# KiCad board hermod-right.kicad_pcb (continued)
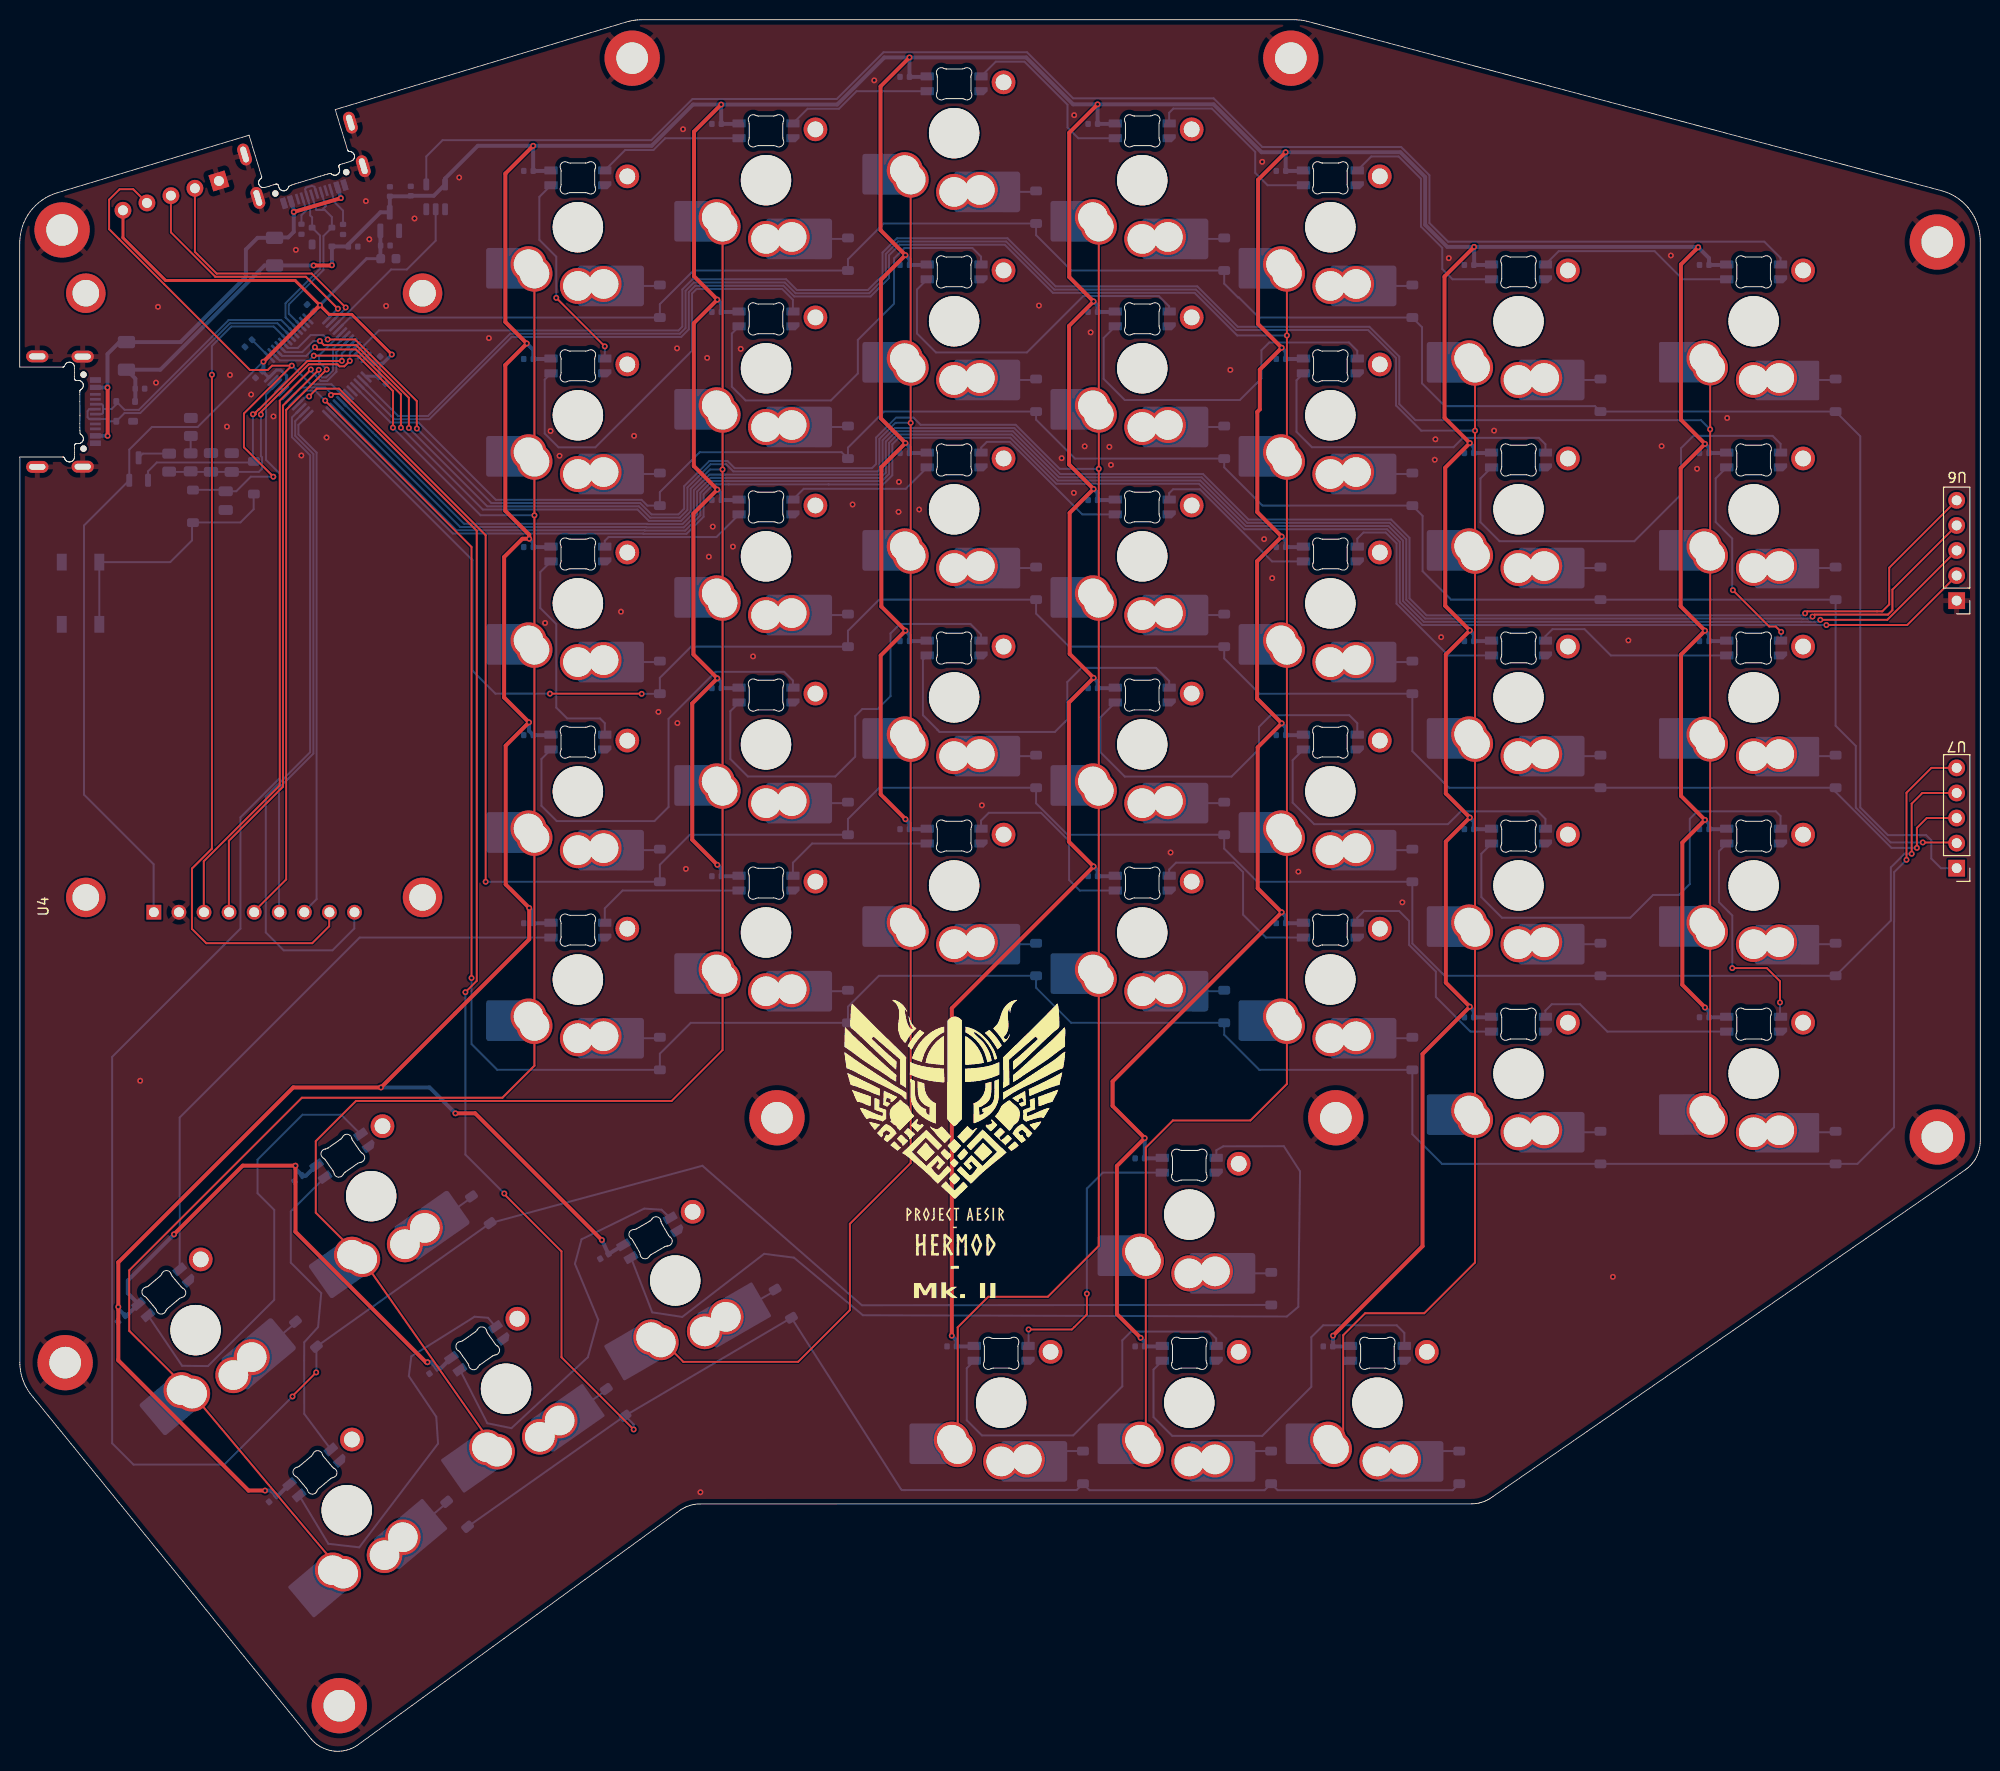
[diagram p0: board, top side]
## Routing (per net, layer and track width the routed paths; a pad name or vN(x,y) marks a point on that pad's centre or on a via; arc(x,y) is an arc through that point) (continued)
Net-(LED4-DIN): length 19.3
  Bottom w0.2: LED5.2 126.36,158.62 125.11,159.87 125.11,162 120.72,166.39 116.82,166.39 116.39,165.96 116.39,164.88
Net-(LED5-DIN): length 23.4
  Bottom w0.2: 149.04,149.09 145.09,149.09 144.05,150.13 144.05,152.28 141.89,154.44 141.89,159.28 139.63,161.54 136.86,161.54 LED5.3
Net-(LED6-DIN): length 20.1
  Bottom w0.2: LED7.2 168.4,149.09 165.55,151.95 155.85,151.95 LED6.3
Net-(LED8-DOUT): length 43.7
  Bottom w0.2: LED9.3 78.29,147.02 77.2,148.11 68.54,148.11 68.08,147.65 68.08,141.86 58.29,132.07 54.56,132.07 53.16,133.47 53.16,138.93 LED8.2
Net-(LED10-DIN): length 44.5
  Bottom w0.2: LED9.2 72.11,143.6 72.11,138.21 73.5,136.82 82.14,136.82 84.87,139.55 84.87,142.95 88.54,146.62 88.54,151.21 89.59,152.26 96.47,152.26 97.34,151.39 LED10.3
Net-(LED10-DOUT): length 35.6
  Bottom w0.2: 116.39,145.83 116.39,146.35 115.35,147.39 107.7,147.39 101.99,141.68 92.78,141.68 90.86,143.6 90.86,148.06 LED10.2
Net-(LED11-DOUT): length 37.6
  Bottom w0.2: LED12.3 135.44,141.85 134.6,142.69 126.53,142.69 125.74,141.9 125.74,139.05 123.55,136.86 111.9,136.86 109.76,139 109.76,143.15 LED11.2
Net-(LED12-DOUT): length 33.6
  Bottom w0.2: LED12.2 129.29,138.86 129.29,133.64 130.85,132.08 145.19,132.08 146.14,133.03 153.84,133.03 154.49,132.38 LED13.3
Net-(LED13-DOUT): length 45.6
  Bottom w0.2: 149.04,130.04 147.92,128.92 147.92,124.49 149.85,122.56 163.5,122.56 168.23,127.29 168.23,131.98 169.48,133.23 177.5,133.23 178.31,132.43 LED14.3
Net-(LED15-DIN): length 15.3
  Bottom w0.2: LED15.3 59.24,122.6 59.63,122.98 70.55,122.98 LED16.2
Net-(LED16-DIN): length 15
  Bottom w0.2: LED16.3 79.39,127.87 89.72,127.87 LED17.2
Net-(LED17-DIN): length 17.4
  Bottom w0.2: LED17.3 97.34,132.04 97.93,132.62 100.26,132.62 107.6,125.28 LED18.2
Net-(LED18-DIN): length 17.4
  Bottom w0.2: 116.39,126.78 116.39,127.43 116.79,127.82 119.51,127.82 126.81,120.52 LED19.2
Net-(LED19-DIN): length 23.4
  Bottom w0.2: 149.04,110.99 144.66,110.99 139.42,116.23 139.42,122.35 138.33,123.44 136.07,123.44 135.44,122.82 LED19.3
Net-(LED20-DIN): length 20.2
  Bottom w0.2: LED20.3 154.49,112.94 155.21,113.65 158.46,113.65 161.12,110.99 LED21.2
Net-(LED22-DOUT): length 44.8
  Bottom w0.2: LED22.2 52.83,100.5 52.83,95.76 54.38,94.21 64.27,94.21 65.7,95.64 65.7,104.57 70.46,109.33 77.41,109.33 78.29,108.45 LED23.3
Net-(LED23-DOUT): length 45.8
  Bottom w0.2: LED24.3 97.34,113.11 96.27,114.18 89.14,114.18 88.18,113.22 88.18,106.87 86.87,105.56 85.32,105.56 84.6,104.84 84.6,100.74 82.59,98.73 73.73,98.73 71.96,100.5 71.96,105.35 LED23.2
Net-(LED24-DOUT): length 38
  Bottom w0.2: LED24.2 91.46,110.56 91.46,104.94 92.93,103.47 92.93,103.45 93.14,103.24 104.82,103.24 106.08,104.5 106.08,108.3 107.51,109.73 115.07,109.73 116.39,108.41 116.39,107.73
Net-(LED25-DOUT): length 38.1
  Bottom w0.2: LED25.2 109.44,104.73 109.44,101.18 111.9,98.72 122.71,98.72 125.49,101.5 125.49,103.75 126.68,104.94 134.63,104.94 135.44,104.13 LED26.3
Net-(LED26-DOUT): length 34.2
  Bottom w0.2: LED26.2 128.9,100.37 128.9,96.08 131.08,93.9 144.63,93.9 145.93,95.2 153.73,95.2 154.49,94.44 LED27.3
Net-(LED27-DOUT): length 46.8
  Bottom w0.2: LED28.3 178.31,94.73 177.83,95.2 169.88,95.2 169.12,94.44 169.12,87.83 168.02,86.73 165.4,86.73 163.09,84.42 150.1,84.42 148.01,86.51 148.01,90.91 149.04,91.94
Net-(LED29-DIN): length 15.8
  Bottom w0.2: LED30.2 61.05,87.18 59.24,85.38 LED29.3
Net-(LED30-DIN): length 15.7
  Bottom w0.2: LED31.2 80.24,91.94 78.29,90 LED30.3
Net-(LED31-DIN): length 20.3
  Bottom w0.2: LED32.2 107.33,87.18 106.26,88.25 106.26,92.21 103.42,95.05 98.13,95.05 97.34,94.27 LED31.3
Net-(LED32-DIN): length 20.2
  Bottom w0.2: LED33.2 126.19,82.42 123.88,84.73 123.88,89.05 122.93,90 117.09,90 116.39,89.31 116.39,88.68
Net-(LED33-DIN): length 22.4
  Bottom w0.2: LED33.3 135.44,84.42 136.13,85.1 139.68,85.1 140.69,84.09 140.69,81.68 143.4,78.97 143.4,76.4 146.9,72.89 149.04,72.89
Net-(LED34-DIN): length 20.4
  Bottom w0.2: LED34.3 154.49,75.02 155.14,75.66 158,75.66 160.77,72.89 LED35.2
Net-(LED36-DOUT): length 46.3
  Bottom w0.2: LED37.3 32.55,64.47 28.64,64.47 24.08,59.91 24.08,56.52 25.77,54.83 25.77,45.72 19.06,39.01 16.44,39.04 LED36.2
Net-(LED37-DOUT): length 31.7
  Bottom w0.2: LED37.2 27.45,54.68 27.45,49.48 30.53,46.4 30.21,42.96 28.81,41.42 28.8,39.55 28.81,34.17 LED38.3
Net-(LED38-DOUT): length 41.9
  Bottom w0.2: LED39.3 47.42,43.9 46.06,44.01 39.65,39.99 39.4,38 42.18,33.87 42.36,31.16 34.38,20.65 31.25,21.01 LED38.2
Net-(LED39-DOUT): length 41.8
  Bottom w0.2: LED39.2 47.35,33.22 49.79,32.72 57.53,39.91 58.58,43.7 56.22,49.37 56.89,51.85 63.24,54.96 64.99,54.85 LED40.3
Net-(LED40-DOUT): length 100.5
  Bottom w0.2: LED40.2 64.05,44.45 67.09,43.99 75.38,50.38 78.4,49.99 85.38,44.16 128.31,44.03 129.47,45.01 129.65,58.73 128.01,61.28 121.88,61.27 121.18,60.88 LED41.3
Net-(LED41-DOUT): length 29.3
  Top w0.2: v1(108.06,46.34) 108.06,44.23 106.55,42.72 v1(102.16,42.72)
  Bottom w0.2: v1(108.06,46.34) 108.06,56.99 109.67,58.61 LED41.2 ; LED42.3 102.16,41.11 v1(102.16,42.72)
Net-(LED42-DOUT): length 40.4
  Bottom w0.2: LED42.2 95.9,38.8 95.9,33.52 97.43,31.99 106.68,31.99 111.65,36.96 111.65,41.62 112.53,42.5 120.45,42.5 121.16,41.8 LED43.3
Net-(LED43-DOUT): length 41.5
  Bottom w0.2: LED43.2 114.81,38.66 114.81,33.84 116.71,31.94 125.82,31.94 130.79,36.91 130.79,41.94 131.99,43.14 139.44,43.14 140.21,42.38 LED44.3
Net-(Q3-C): length 3.3
  Bottom w0.2: R6.1 12.46,131.44 Q3.3
Net-(R7-Pad1): length 1.8
  Bottom w0.2: R7.1 17.31,133.2 R9.1

## Copper pours and planes (outline as drawn; the poured copper is in the pictures)
GND on Top: 204.54,197.19 97.6,199.65 -22.32,179.88 -22.66,-3.27 207.96,-2.51 208.09,112.41
GND on Bottom: 202.76,188.75 100.16,201.66 -12.75,182.6 -21.52,-1.37 212.13,-2.89 205.42,146.14

## Text on the board
B.Silkscreen: +3v3 | NRST | SWD | SWCLK | GND | Designed By: / Modern Hobbyist / Charlie Steenhagen | Variant: / Gateron KS-33 / MX Spacing | - / Mk. II
F.Silkscreen: - / Mk. II
